# Altium PCB Core.PcbDoc (part 3 of 5)
Units mil, origin at the board's own origin, x right, y up, seen from the top; angles counter-clockwise.
Board outline 1181.1 x 1574.8 mil, 6 copper layers (Top Layer, GND2, SIG3, PWR4, GND5, Bottom Layer), stack 29.356 mil thick; 139 components, 179 nets, 1165 pads, 477 vias.
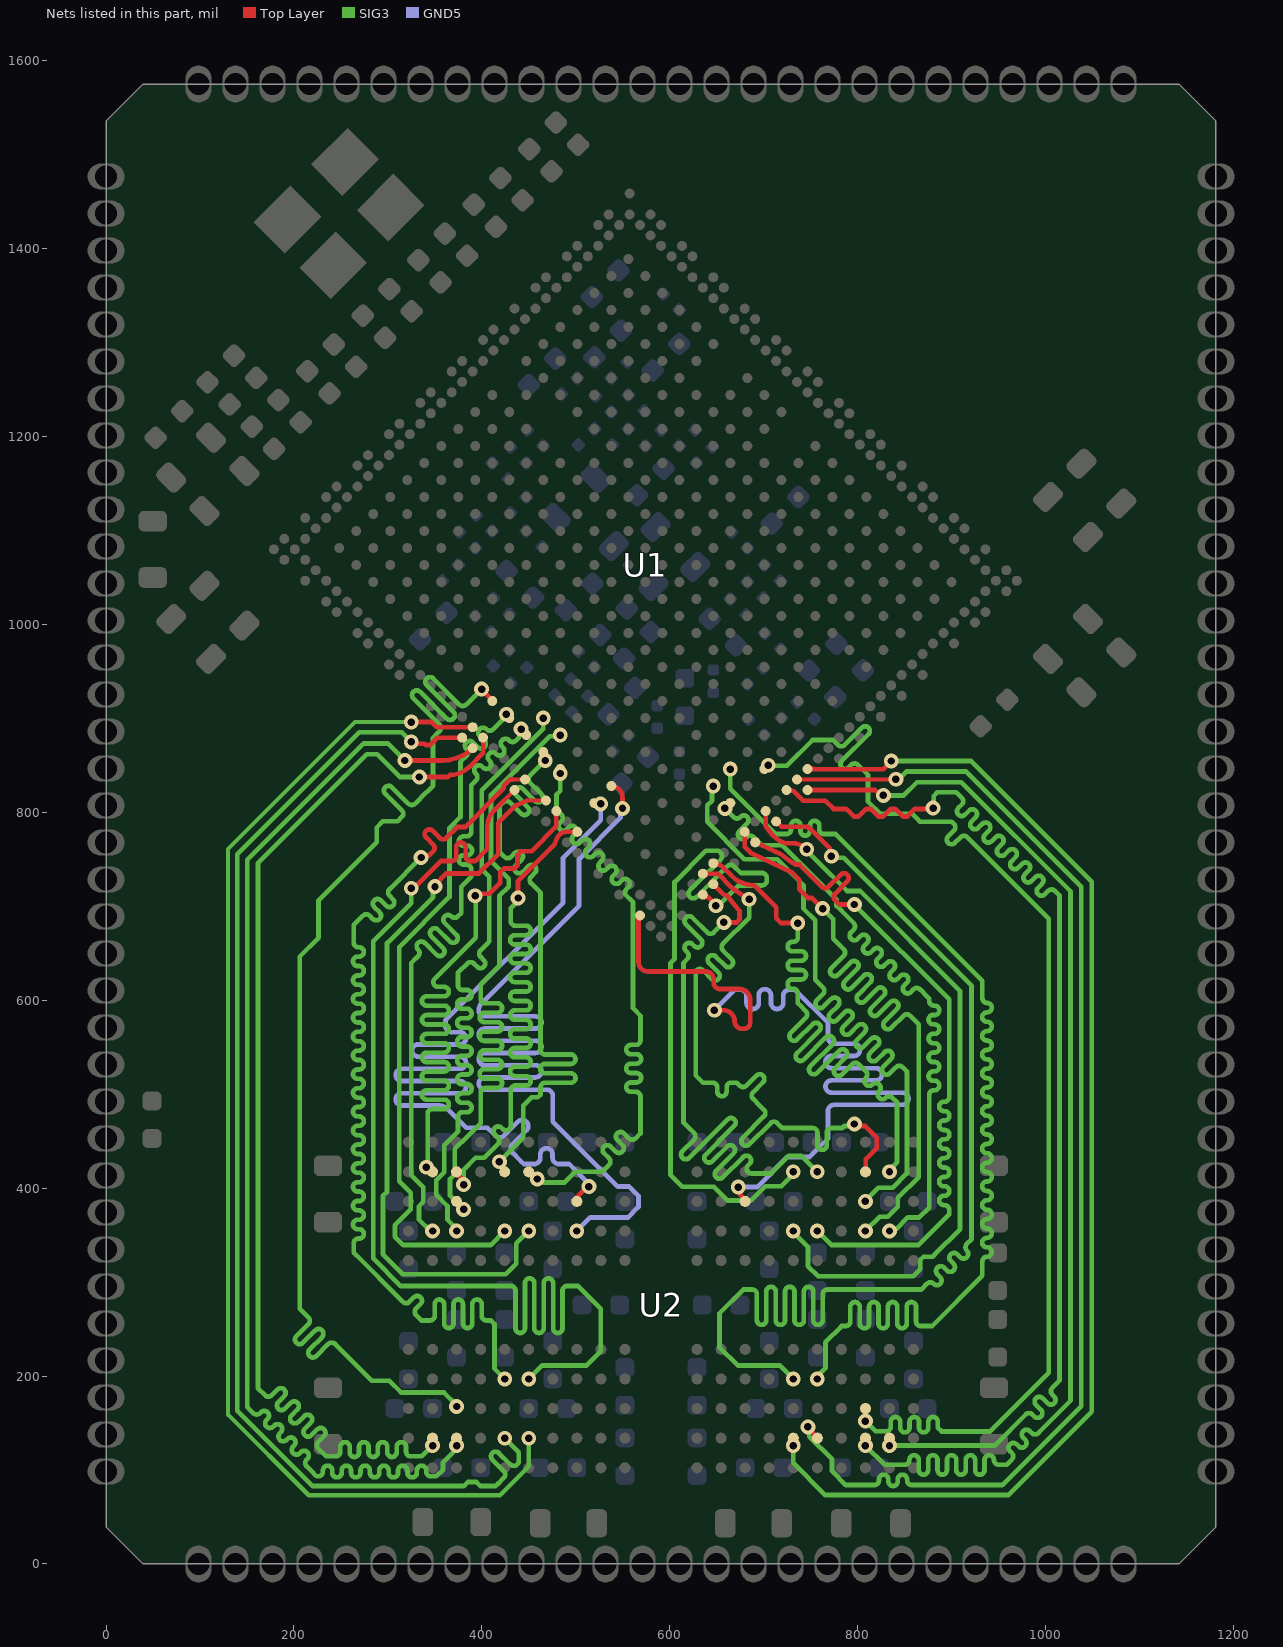
[diagram p7: the nets of this part, all layers, seen from the top]

## Via types
v1: diameter 15.75, hole 7.87, Top Layer to Bottom Layer, tented both sides, 475 vias
v2: diameter 15.75, hole 11.81, Top Layer to Bottom Layer, tented both sides, 2 vias

## Nets (pads, with @x,y where several pads share a name; then routed paths per layer and width w, separated by ;. In a path a pad name is that pad's centre, name@x,y a point inside that pad or via, vN(x,y) a via of type N, cw(c..) or ccw(c..) an arc to the next point about the centre after c; other vN are vias at no path point) (continued)
LPDDR4_CS0N_B: U1.1B5 U2.R4 | length 1079.8
  Top Layer w5: U1.1B5@537.66,827.75 cw(c537.66,815.84) 549.57,815.84 v1(549.57,804)
  GND5 w5: v1(500.98,354.33) 515.39,368.74 555.45,368.74 566.57,379.86 566.57,391.79 556.79,401.57 544.38,401.57 475.39,470.56 475.39,498.24 ccw(c468.89,498.24) 468.89,504.74 403.02,504.74 cw(c403.02,511.24) 403.02,517.74 456.85,517.74 ccw(c456.85,524.24) 456.85,530.74 403.02,530.74 cw(c403.02,537.24) 403.02,543.74 456.85,543.74 ccw(c456.85,550.24) 456.85,556.74 403.02,556.74 cw(c403.02,563.24) 403.02,569.74 456.85,569.74 ccw(c456.85,576.24) 456.85,582.74 402.81,582.74 cw(c402.81,589.05) 396.5,589.05 cw(c407.24,589.05) 399.65,596.64 503.3,700.29 503.3,750.13 547.52,794.35 547.52,801.94 v1(549.57,804)
LPDDR4_CS1N_A: U1.A3 U2.H3 | length 1066.8
  Top Layer w5: U1.A3@568.28,689.95 ccw(c568.28,688.25) 566.58,688.25 566.58,640.51 ccw(c576.63,640.51) 576.63,630.46 638.03,630.46 cw(c638.03,621.94) 646.55,621.94 646.55,618.4 ccw(c653.17,618.4) 653.17,611.78 673.99,611.78 cw(c673.99,600.34) 685.43,600.34 685.43,575.74 cw(c679.33,575.74) 679.33,569.64 cw(c677.25,577.81) 668.82,577.76 ccw(c657.88,577.81) 665.61,585.54 ccw(c656.74,576.67) 656.74,589.21 v1(647.37,589.21) ; v1(672.85,401.06) 674.9,399.01 674.9,392.89 680.12,387.67 U2.H3@680.12,385.83
  GND5 w5: v1(647.37,589.21) 669.18,611.02 675.07,611.02 cw(c675.07,604.52) 681.57,604.52 681.57,597 ccw(c688.07,597) 694.57,597 694.57,605.15 cw(c701.07,605.15) 707.57,605.15 707.57,597 ccw(c714.07,597) 720.57,597 720.57,604.52 cw(c727.07,604.52) 727.07,611.02 732.95,611.02 768.25,575.71 768.25,562.57 768.25,560.07 ccw(c774.75,560.07) 774.75,553.57 795.86,553.57 cw(c795.86,547.07) 795.86,540.57 772,540.57 ccw(c772,534.07) 772,527.57 819.26,527.57 cw(c819.26,521.07) 819.26,514.57 772,514.57 ccw(c772,508.07) 772,501.57 847.41,501.57 cw(c847.41,495.07) 847.41,488.57 774.75,488.57 ccw(c774.75,482.07) 768.25,482.07 768.25,458.21 768.25,452.75 748.65,433.15 724.92,433.15 692.84,401.06 v1(672.85,401.06)
LPDDR4_CS1N_B: U1.1A5 U2.R3 | length 1058
  Top Layer w5: U2.R3@500.98,385.83 502.29,387.13 502.29,391.85 512.01,401.57 v1(513.78,401.57)
  GND5 w5: v1(513.78,401.57) 513.78,404.48 492.66,425.6 491.17,425.6 481.67,425.6 cw(c481.67,432.1) 475.17,432.1 475.17,435.93 ccw(c468.67,435.93) 462.17,435.93 462.17,432.1 cw(c455.67,432.1) 455.67,425.6 453.17,425.6 444.35,425.6 441.86,428.08 440.1,429.85 432.58,437.36 cw(c437.18,441.96) 432.58,446.55 447.41,461.38 ccw(c442.81,465.97) 447.41,470.57 ccw(c442.81,465.98) 438.22,470.57 423.39,455.75 cw(c418.79,460.34) 414.2,455.75 412.43,457.51 405.88,464.06 383.26,464.06 365.22,482.1 362.72,484.6 ccw(c354.88,476.76) 354.88,487.85 314.68,487.85 cw(c314.68,494.35) 314.68,500.85 376.47,500.85 ccw(c376.47,507.35) 376.47,513.85 314.68,513.85 cw(c314.68,520.35) 314.68,526.85 376.47,526.85 ccw(c376.47,533.35) 376.47,539.85 332.03,539.85 cw(c332.03,546.35) 332.03,552.85 376.47,552.85 ccw(c376.47,559.35) 376.47,565.85 367.68,565.85 cw(c367.68,572.35) 361.18,572.35 361.18,578.62 365.44,582.88 486.3,703.74 486.3,751.53 526.28,791.5 v1(526.28,808.78)
LPDDR4_DM0_A: U1.1E2 U2.C3 | length 786.3
  SIG3 w5: v1(646.23,827.75) 644.84,826.37 644.84,812.38 639.6,807.13 639.6,789.64 679.25,750 714.23,750 742.16,722.06 742.16,697.38 754.52,685.02 754.52,626.65 754.52,621.73 762.81,613.44 cw(c759.27,609.9) 762.81,606.37 756.35,599.91 ccw(c759.89,596.38) 756.35,592.84 ccw(c759.89,596.38) 763.42,592.84 771.84,601.26 cw(c775.38,597.73) 778.91,601.26 cw(c775.38,597.73) 778.91,594.19 770.49,585.77 ccw(c774.03,582.24) 770.49,578.7 ccw(c774.03,582.24) 777.56,578.7 785.99,587.12 cw(c789.52,583.59) 793.06,587.12 cw(c789.52,583.59) 793.06,580.05 784.64,571.63 ccw(c788.17,568.09) 784.64,564.56 ccw(c788.17,568.09) 791.71,564.56 800.13,572.98 cw(c803.66,569.44) 807.2,572.98 cw(c803.66,569.44) 807.2,565.91 798.78,557.49 ccw(c802.31,553.95) 798.78,550.42 ccw(c802.31,553.95) 805.85,550.42 814.27,558.84 cw(c817.81,555.3) 821.34,558.84 cw(c817.81,555.3) 821.34,551.77 812.92,543.35 ccw(c816.46,539.81) 812.92,536.28 ccw(c816.46,539.81) 819.99,536.28 828.41,544.7 cw(c831.95,541.16) 835.48,544.7 cw(c831.95,541.16) 835.48,537.62 827.06,529.2 ccw(c830.6,525.67) 827.06,522.13 ccw(c830.6,525.67) 834.13,522.13 840.59,528.59 cw(c844.12,525.05) 847.66,528.59 849.43,526.82 852.3,523.95 852.3,415.58 836.94,400.23 821.88,400.23 808.07,386.42 v1(808.07,385.83)
LPDDR4_DM0_B: U1.1B8 U2.Y3 | length 786.3
  Top Layer w5: U2.Y3@373.03,385.83 373.03,385.25 380.44,377.84 v1(380.44,377.27)
  SIG3 w5: v1(380.44,377.27) 366.04,391.67 366.04,409.63 371.06,414.65 371.06,441.63 384.22,454.79 398.62,469.19 398.62,501.56 cw(c403.62,501.56) 403.62,506.56 416.44,506.56 ccw(c416.44,511.56) 416.44,516.56 402.55,516.56 cw(c402.55,521.56) 402.55,526.56 416.44,526.56 ccw(c416.44,531.56) 416.44,536.56 402.55,536.56 cw(c402.55,541.56) 402.55,546.56 416.44,546.56 ccw(c416.44,551.56) 416.44,556.56 402.55,556.56 cw(c402.55,561.56) 402.55,566.56 416.44,566.56 ccw(c416.44,571.56) 416.44,576.56 402.55,576.56 cw(c402.55,581.56) 402.55,586.56 416.44,586.56 ccw(c416.44,591.56) 416.44,596.56 403.62,596.56 cw(c403.62,601.56) 398.62,601.56 398.62,616.66 418.65,636.68 418.65,710.9 428.58,720.83 428.58,729.27 409.56,748.28 409.56,818.17 472.27,880.88 482.22,880.88 v1(483.37,882.04)
LPDDR4_DM1_A: U1.1G1 U2.C10 | length 1313.3
  Top Layer w5: v1(808.07,151.97) U2.C10@808.07,165.35
  SIG3 w5: v1(704.62,849.96) 705.05,849.54 724.58,849.54 751.84,876.8 773.62,876.8 777.07,873.35 778.84,871.58 ccw(c782.38,875.11) 785.91,871.58 804.28,889.95 cw(c807.82,886.41) 811.35,889.95 cw(c807.82,886.41) 811.35,882.88 783.09,854.62 ccw(c786.63,851.08) 783.09,847.55 ccw(c786.63,851.08) 790.16,847.55 792.98,850.37 cw(c796.52,846.83) 800.05,850.37 810.8,839.62 810.8,811.07 823.6,798.27 857.67,798.27 864.13,791.81 866.04,789.9 899.85,789.9 902.25,787.5 cw(c898.71,783.97) 902.25,780.43 896.17,774.36 ccw(c899.71,770.82) 896.17,767.29 ccw(c899.71,770.82) 903.25,767.29 909.32,773.36 cw(c912.85,769.82) 916.39,773.36 1003.31,686.44 1003.31,203.68 940.66,141.03 930.04,141.03 889.11,141.03 885.05,145.09 885.05,151.42 ccw(c880.05,151.42) 875.05,151.42 875.05,145.09 cw(c870.05,145.09) 865.05,145.09 865.05,151.42 ccw(c860.05,151.42) 855.05,151.42 855.05,145.09 cw(c850.05,145.09) 845.05,145.09 845.05,151.42 ccw(c840.05,151.42) 835.05,151.42 835.05,146.06 cw(c830.05,146.06) 830.04,141.06 821.19,141.06 819.15,141.06 808.24,151.97 v1(808.07,151.97)
LPDDR4_DM1_B: U1.1A11 U2.Y10 | length 1316.8
  Top Layer w5: v1(399.63,930.92) 399.63,930.26 410.99,918.9 U1.1A11@410.99,918.23
  SIG3 w5: v1(373.03,167.56) 373.03,168.94 359.53,182.44 313.92,182.44 301.56,194.8 282.95,194.8 245.44,232.31 243.67,234.08 ccw(c240.13,230.55) 236.6,234.08 223.66,221.15 cw(c220.13,224.69) 216.59,221.15 cw(c220.13,224.69) 216.59,228.22 229.83,241.45 ccw(c226.29,244.99) 229.83,248.53 ccw(c226.29,244.99) 222.76,248.53 209.52,235.29 cw(c205.99,238.83) 202.45,235.29 cw(c205.99,238.83) 202.45,242.36 215.38,255.3 ccw(c211.85,258.83) 215.38,262.37 206.14,271.61 206.14,646.39 226.17,666.43 226.17,706.36 287.95,768.13 287.95,783.69 294.67,790.41 310.23,790.41 314.72,794.91 ccw(c311.19,798.44) 315.7,800.59 ccw(c311.19,798.44) 314.72,801.98 301.7,815 301.62,815 297.11,819.5 cw(c300.65,823.04) 304.18,826.58 321.71,809.05 321.8,809.05 ccw(c325.33,812.58) 328.87,809.05 340.35,820.53 342.12,822.3 348.02,828.2 348.02,879.31 353.11,884.39 354.87,886.16 ccw(c351.34,889.7) 354.87,893.23 327.08,921.02 cw(c330.62,924.56) 327.08,928.1 cw(c330.62,924.56) 334.15,928.1 362.64,899.61 ccw(c366.18,903.14) 369.71,899.61 ccw(c366.18,903.14) 369.71,906.68 341.22,935.17 cw(c344.76,938.7) 341.22,942.24 cw(c344.76,938.7) 348.3,942.24 376.09,914.45 ccw(c379.62,917.98) 383.16,914.45 392.76,924.05 v1(399.63,930.92)
LPDDR4_DQ0_A: U1.G2 U2.B2 | length 787.1
  Top Layer w5: U1.G2@646.23,745.63 cw(c646.23,731.13) 656.47,741.39 665.65,732.21 ccw(c689.65,756.22) 687.8,722.32 cw(c687.8,717.96) 690.88,721.04 713.04,698.88 713.04,687.19 718.24,681.99 v1(736.16,681.99)
  SIG3 w5: v1(736.16,681.99) 736.16,666.97 cw(c731.16,666.97) 731.16,661.97 730.24,661.97 ccw(c730.24,656.97) 730.24,651.97 739.83,651.97 cw(c739.83,646.97) 739.83,641.97 730.24,641.97 ccw(c730.24,636.97) 730.24,631.97 739.83,631.97 cw(c739.83,626.97) 739.83,621.97 730.24,621.97 ccw(c730.24,616.97) 730.24,611.97 731.16,611.97 cw(c731.16,606.97) 736.16,606.97 736.16,596.71 738.59,594.28 744.57,588.3 cw(c741.03,584.76) 744.57,581.23 728.61,565.27 ccw(c732.15,561.74) 728.61,558.2 ccw(c732.15,561.74) 735.68,558.2 751.96,574.48 cw(c755.49,570.94) 759.03,574.48 cw(c755.49,570.94) 759.03,567.4 735.35,543.72 ccw(c738.88,540.19) 735.35,536.65 ccw(c738.88,540.19) 742.42,536.65 766.1,560.33 cw(c769.63,556.8) 773.17,560.33 cw(c769.63,556.8) 773.17,553.26 749.49,529.58 ccw(c753.02,526.05) 749.49,522.51 ccw(c753.02,526.05) 756.56,522.51 780.24,546.19 cw(c783.78,542.66) 787.31,546.19 cw(c783.78,542.66) 787.31,539.12 775.96,527.77 ccw(c779.49,524.23) 775.96,520.7 ccw(c779.49,524.23) 783.03,520.7 794.06,531.73 cw(c797.6,528.2) 799.34,532.88 cw(c797.6,528.2) 801.14,531.73 801.43,531.43 808.5,524.36 cw(c804.97,520.83) 808.5,517.29 ccw(c812.02,513.73) 808.48,510.2 ccw(c812.02,513.73) 815.55,510.2 815.65,510.29 cw(c819.18,506.76) 822.72,510.29 cw(c819.18,506.76) 822.72,503.22 822.62,503.13 ccw(c826.16,499.59) 822.62,496.05 ccw(c826.16,499.59) 829.69,496.05 cw(c833.25,492.54) 836.79,496.08 841.76,491.1 841.76,474.65 841.76,427.67 833.66,419.56 v1(833.66,417.32)
LPDDR4_DQ0_B: U1.B12 U2.AA2 | length 785.9
  Top Layer w4.6: 479.2,784.78 U1.B12@479.2,801.3
  Top Layer w5: v1(340.93,422.07) 345.67,417.32 U2.AA2@347.44,417.32 ; v1(392.76,711.07) 394.82,713.12 407.53,713.12 419.53,725.12 419.53,736.44 423.07,739.97 434.38,739.97 437.92,743.51 437.92,754.82 441.46,758.36 452.77,758.36 479.2,784.78
  SIG3 w5: v1(340.93,422.07) 342.25,423.39 342.25,466.59 342.25,479.09 cw(c347.25,479.09) 347.25,484.09 359.77,484.09 ccw(c359.77,489.09) 359.77,494.09 341.16,494.09 cw(c341.16,499.09) 341.16,504.09 359.77,504.09 ccw(c359.77,509.09) 359.77,514.09 341.16,514.09 cw(c341.16,519.09) 341.16,524.09 359.77,524.09 ccw(c359.77,529.09) 359.77,534.09 341.16,534.09 cw(c341.16,539.09) 341.16,544.09 359.77,544.09 ccw(c359.77,549.09) 359.77,554.09 341.16,554.09 cw(c341.16,559.09) 341.16,564.09 359.77,564.09 ccw(c359.77,569.09) 359.77,574.09 341.16,574.09 cw(c341.16,579.09) 341.16,584.09 359.77,584.09 ccw(c359.77,589.09) 359.77,594.09 341.16,594.09 cw(c341.16,599.09) 341.16,604.09 359.77,604.09 ccw(c359.77,609.09) 359.77,614.09 353.26,614.09 cw(c353.26,619.09) 349.72,622.63 361.14,634.04 393.52,666.43 393.52,710.3 v1(392.76,711.07)
LPDDR4_DQ1_A: U1.F2 U2.C2 | length 786.8
  Top Layer w4.6: U1.F2@635.09,734.49 650.86,734.49 650.99,734.36 650.99,734.49
  Top Layer w5: 650.99,734.36 652.31,733.27 664.29,721.29 667.22,718.37 669.66,716.93 cw(c659.5,699.68) 670.57,716.36 v1(684.29,707.26) ; v1(796.38,468.19) 798.43,466.14 807.59,466.14 819.98,453.75 819.98,442.41 808.29,430.73 808.29,417.55 U2.C2@808.07,417.32
  SIG3 w5: v1(684.29,707.26) 684.29,687.69 656.48,659.87 ccw(c660.02,656.34) 656.48,652.8 665.73,643.55 cw(c662.19,640.02) 665.73,636.48 cw(c662.19,640.02) 658.66,636.48 648.76,646.38 ccw(c645.22,642.85) 641.69,646.39 ccw(c645.22,642.85) 641.69,639.31 651.59,629.41 cw(c648.05,625.88) 651.59,622.34 cw(c648.05,625.88) 644.52,622.34 635.27,631.59 ccw(c631.73,628.06) 628.2,631.59 627.55,630.94 627.55,519.87 627.65,519.77 635.25,512.17 645.35,512.17 cw(c645.35,507.17) 650.35,507.17 650.35,502.68 ccw(c655.35,502.68) 660.35,502.68 660.35,507.17 cw(c665.35,507.17) 665.35,512.17 667.85,512.17 671.24,512.17 674.38,509.02 ccw(c677.92,512.56) 681.45,509.02 692.01,519.58 cw(c695.55,516.05) 699.08,519.58 cw(c695.55,516.05) 699.08,512.51 688.53,501.95 ccw(c692.06,498.42) 688.53,494.88 695.6,487.81 697.36,486.04 700.12,483.28 cw(c696.59,479.75) 700.12,476.21 677.5,453.59 ccw(c681.03,450.05) 677.5,446.52 ccw(c681.03,450.05) 684.57,446.52 707.19,469.14 cw(c710.73,465.61) 714.26,469.14 719.55,463.86 752.01,463.86 cw(c752.01,458.86) 757.01,458.86 757.01,445.68 ccw(c762.01,445.68) 767.01,445.68 767.01,458.86 cw(c772.01,458.86) 772.01,463.86 783.2,463.86 785.48,466.14 794.32,466.14 v1(796.38,468.19)
LPDDR4_DQ1_B: U1.B10 U2.Y2 | length 787.5
  Top Layer w4.6: 488.31,779.03 U1.B10@501.47,779.03
  Top Layer w5: U2.Y2@373.03,417.32 373.03,415.48 378.39,410.12 378.39,405.72 v1(380.44,403.66) ; v1(438.43,708.66) 438.43,727.06 477.24,765.87 479.88,772.23 ; 479.89,772.24 cw(c490.33,767.9) 488.12,778.99 488.31,779.03
  SIG3 w5: v1(380.44,403.66) 380.44,419.52 393.14,432.21 402.39,432.21 416.95,446.77 ccw(c413.41,450.31) 416.95,453.85 413.72,457.07 cw(c417.26,460.61) 413.72,464.15 cw(c417.26,460.61) 420.79,464.15 422.09,462.85 ccw(c425.62,466.38) 430.62,466.38 430.62,471.61 430.62,504.11 cw(c435.62,504.11) 435.62,509.11 446.92,509.11 ccw(c446.92,514.11) 446.92,519.11 435.05,519.11 cw(c435.05,524.11) 435.05,529.11 446.92,529.11 ccw(c446.92,534.11) 446.92,539.11 435.05,539.11 cw(c435.05,544.11) 435.05,549.11 446.92,549.11 ccw(c446.92,554.11) 446.92,559.11 435.05,559.11 cw(c435.05,564.11) 435.05,569.11 446.92,569.11 ccw(c446.92,574.11) 446.92,579.11 435.05,579.11 cw(c435.05,584.11) 435.05,589.11 446.92,589.11 ccw(c446.92,594.11) 446.92,599.11 435.05,599.11 cw(c435.05,604.11) 435.05,609.11 446.92,609.11 ccw(c446.92,614.11) 446.92,619.11 435.05,619.11 cw(c435.05,624.11) 435.05,629.11 446.92,629.11 ccw(c446.92,634.11) 446.92,639.11 435.05,639.11 cw(c435.05,644.11) 435.05,649.11 446.92,649.11 ccw(c446.92,654.11) 446.92,659.11 435.05,659.11 cw(c435.05,664.11) 435.05,669.11 446.92,669.11 ccw(c446.92,674.11) 446.92,679.11 435.62,679.11 cw(c435.62,684.11) 430.62,684.11 430.62,697.94 436.89,704.21 438.43,705.75 v1(438.43,708.66)
LPDDR4_DQ2_A: U1.F1 U2.E2 | length 785.5
  Top Layer w5: U1.F1@646.23,723.35 656.95,712.63 657.6,711.99 659.32,711.57 660.68,711.24 661.86,710.07 672.86,696.56 673.99,695.18 673.99,685.58 671.06,682.65 v1(657.44,682.65)
  SIG3 w5: v1(657.44,682.65) 646.82,672.03 cw(c643.28,675.56) 639.74,672.03 624.06,687.71 ccw(c620.53,684.17) 616.99,687.71 ccw(c620.53,684.17) 616.99,680.64 633.03,664.6 cw(c629.49,661.06) 633.03,657.53 cw(c629.49,661.06) 625.96,657.53 624.06,659.42 ccw(c620.53,655.89) 616.99,659.42 ccw(c620.53,655.89) 616.99,652.35 618.53,650.81 cw(c615,647.28) 618.53,643.74 614.53,639.74 614.53,469.74 618.66,465.61 620.43,463.84 625.68,458.59 cw(c622.14,455.05) 625.68,451.52 613.34,439.18 ccw(c616.88,435.65) 613.34,432.11 ccw(c616.88,435.65) 620.41,432.11 661.45,473.15 cw(c664.98,469.61) 668.52,473.15 cw(c664.98,469.61) 668.52,466.08 638.07,435.63 ccw(c641.61,432.09) 638.07,428.56 ccw(c641.61,432.09) 645.14,428.56 660.75,444.17 cw(c664.29,440.63) 667.83,444.17 cw(c664.29,440.63) 667.83,437.1 649.16,418.43 ccw(c652.7,414.9) 649.16,411.36 ccw(c652.7,414.9) 656.23,411.36 677.89,433.02 cw(c681.42,429.48) 684.96,433.02 cw(c681.42,429.48) 684.96,425.95 683.13,424.12 ccw(c686.67,420.58) 686.67,415.58 695.81,415.58 707.72,415.58 726.32,434.18 733.11,434.18 740.03,434.18 v1(756.89,417.32)
LPDDR4_DQ2_B: U1.1A8 U2.V2 | length 787.5
  Top Layer w5: v1(418.63,428.08) 420.68,426.02 420.68,422.69 424.21,419.17 U2.V2@424.21,417.32 ; U1.1A8@465.28,863.94 466.29,862.93 466.29,856.04 v1(467.3,855.03)
  SIG3 w5: v1(418.63,428.08) 444.06,453.51 444.06,487.77 452.78,496.49 459.29,496.49 459.84,497.04 462.33,499.54 462.33,507.09 cw(c467.33,507.09) 467.33,512.09 494.56,512.09 ccw(c494.56,517.09) 494.56,522.09 466.93,522.09 cw(c466.93,527.09) 466.93,532.09 494.56,532.09 ccw(c494.56,537.09) 494.56,542.09 467.33,542.09 cw(c467.33,547.09) 462.33,547.09 462.33,549.59 462.33,714.14 452.26,724.21 cw(c455.8,727.74) 452.26,731.28 456.33,735.35 ccw(c452.8,738.89) 456.33,742.42 ccw(c452.8,738.89) 449.26,742.42 443.17,736.33 cw(c439.63,739.87) 436.1,736.33 cw(c439.64,739.87) 436.1,743.4 442.19,749.49 ccw(c438.65,753.03) 442.19,756.56 ccw(c438.65,753.03) 435.12,756.56 431.05,752.49 cw(c427.51,756.03) 423.98,752.49 418.65,757.82 418.65,806.37 422.63,810.35 cw(c426.17,806.82) 429.7,810.35 441.71,798.35 ccw(c445.25,801.88) 448.78,798.35 ccw(c445.25,801.88) 448.78,805.42 436.36,817.84 cw(c439.9,821.37) 436.36,824.91 cw(c439.9,821.37) 443.43,824.91 456.41,811.93 ccw(c459.95,815.46) 463.49,811.93 ccw(c459.95,815.46) 463.49,819 450.92,831.57 cw(c454.45,835.1) 450.92,838.64 v1(467.3,855.03)
LPDDR4_DQ3_A: U1.E1 U2.F2 | length 786.7
  Top Layer w5: U1.E1@635.09,712.22 636.62,712.22 639.23,709.61 640.61,709.61 648.91,701.31 v1(648.91,700.5)
  SIG3 w5: v1(648.91,700.5) 651.63,700.5 673.2,722.06 697.76,722.06 ccw(c697.76,727.5) 703.2,727.5 703.2,729.86 ccw(c697.78,729.86) 697.78,735.27 675.42,735.27 675.13,735.55 668.18,742.5 ccw(c664.65,738.97) 661.11,742.5 628.33,709.72 cw(c624.79,713.25) 621.26,709.72 cw(c624.79,713.25) 621.25,716.79 654.04,749.58 ccw(c650.51,753.11) 654.04,756.65 651.73,758.96 638.29,758.96 604.96,725.62 604.96,643.79 600.55,639.39 600.55,414.2 613.35,401.4 646.89,401.4 661.63,386.66 686.17,386.66 701.37,401.86 718.71,401.86 731.3,414.45 v1(731.3,417.32)
LPDDR4_DQ3_B: U1.1A7 U2.U2 | length 785.3
  Top Layer w5: U2.U2@449.8,417.32 450.43,417.32 458.12,409.63 v1(458.75,409.63) ; v1(483.37,841.11) U1.1A7@483.37,845.85
  SIG3 w5: v1(458.75,409.63) 461.66,409.63 465.45,405.84 487.82,405.84 499.31,417.32 527.94,417.32 535.24,424.62 ccw(c531.7,428.16) 535.24,431.69 529.88,437.05 cw(c533.42,440.59) 529.88,444.12 cw(c533.42,440.59) 536.96,444.12 542.34,438.74 ccw(c545.87,442.28) 549.41,438.74 ccw(c545.87,442.28) 549.41,445.81 544.03,451.19 cw(c547.56,454.73) 544.03,458.26 cw(c547.56,454.73) 551.1,458.26 556.45,452.91 ccw(c559.99,456.44) 563.52,452.91 568.71,458.1 568.71,494.88 568.71,497.38 ccw(c563.71,497.38) 563.71,502.38 558.56,502.38 cw(c558.56,507.38) 558.56,512.38 564.42,512.38 ccw(c564.42,517.38) 564.42,522.38 558.56,522.38 cw(c558.56,527.38) 558.56,532.38 564.42,532.38 ccw(c564.42,537.38) 564.42,542.38 558.56,542.38 cw(c558.56,547.38) 558.56,552.38 563.71,552.38 ccw(c563.71,557.38) 568.71,557.38 568.71,572.71 568.71,583.28 560.79,591.2 560.79,704.29 552.24,712.83 552.24,714.55 cw(c557.24,714.55) 553.71,718.08 555.98,720.36 ccw(c552.45,723.89) 555.98,727.43 ccw(c552.45,723.89) 548.91,727.43 546.64,725.15 cw(c543.1,728.69) 539.57,725.15 cw(c543.1,728.69) 539.57,732.23 541.84,734.5 ccw(c538.3,738.04) 541.84,741.57 ccw(c538.3,738.04) 534.77,741.57 532.49,739.3 cw(c528.96,742.83) 525.42,739.3 cw(c528.96,742.83) 525.42,746.37 527.7,748.64 ccw(c524.16,752.18) 527.7,755.71 ccw(c524.16,752.18) 520.63,755.71 518.35,753.44 cw(c514.82,756.97) 511.28,753.44 cw(c514.82,756.97) 511.28,760.51 513.56,762.78 ccw(c510.02,766.32) 513.56,769.86 ccw(c510.02,766.32) 506.48,769.86 504.21,767.58 cw(c500.67,771.12) 497.14,767.58 cw(c500.67,771.12) 497.14,774.65 499.41,776.93 ccw(c495.88,780.46) 499.41,784 ccw(c495.88,780.46) 492.34,784 490.07,781.72 cw(c486.53,785.26) 483,781.72 cw(c486.53,785.26) 483,788.79 484.61,790.41 ccw(c481.07,793.94) 484.61,797.48 479.3,802.79 479.3,818.46 483.37,822.53 v1(483.37,841.11)
LPDDR4_DQ4_A: U1.M2 U2.F4 | length 785.8
  Top Layer w4.6: 701.91,787.72 U1.M2@701.91,801.3
  Top Layer w5: 701.9,787.71 701.9,785.27 706.54,778.86 ccw(c733.39,798.31) 722.57,766.97 730.21,766.97 cw(c730.21,745.05) v1(745.71,760.54)
  SIG3 w5: v1(731.3,354.33) 731.32,352.99 746.91,337.4 746.91,316.93 757.7,306.14 843.47,306.14 858.85,306.14 866.33,313.62 866.33,323.52 869.87,327.06 879.77,327.06 881.53,328.82 908.79,356.08 908.79,609.64 802.33,716.11 788.56,716.11 757.46,747.21 745.73,758.96 v1(745.71,760.54)
LPDDR4_DQ4_B: U1.B13 U2.U4 | length 785.2
  Top Layer w4.6: 448.15,812.42 U1.B13@468.06,812.44
  Top Layer w5: v1(350.07,720.83) 350.07,723 361.89,734.82 396.76,734.82 417.27,755.33 417.27,788.66 435.04,806.43 436.61,807.49 448.15,812.42
  SIG3 w5: 347.99,712.53 347.99,709.63 299.07,660.71 299.07,396.19 294.67,391.79 294.67,329.64 315.88,308.43 425.26,308.43 436.5,319.67 436.5,341.03 v1(449.8,354.33) ; 348.02,712.56 348.02,718.78 v1(350.07,720.83)
LPDDR4_DQ5_A: U1.K1 U2.E4 | length 786.9
  Top Layer w5: U1.K1@690.77,767.9 691.22,767.7 cw(c476.63,269.28) 718.18,755.21 728.28,747.62 733.6,744.24 737.93,744.24 759.92,722.26 761.68,720.49 ccw(c765.22,724.03) 768.75,720.49 781.77,733.5 cw(c785.31,729.97) 788.84,733.51 cw(c785.31,729.97) 788.84,726.43 775.83,713.42 ccw(c779.36,709.88) 775.83,706.35 780.47,701.7 v1(796.36,701.7)
  SIG3 w5: v1(756.89,354.33) 771.73,339.49 864.79,339.49 894.65,369.36 897.2,371.91 897.2,376.86 ccw(c892.2,376.86) 892.2,381.86 891.56,381.86 cw(c891.56,386.86) 891.56,391.86 892.35,391.86 ccw(c892.35,396.86) 892.35,401.86 891.56,401.86 cw(c891.56,406.86) 891.56,411.86 892.35,411.86 ccw(c892.35,416.86) 892.35,421.86 891.56,421.86 cw(c891.56,426.86) 891.56,431.86 892.35,431.86 ccw(c892.35,436.86) 892.35,441.86 891.56,441.86 cw(c891.56,446.86) 891.56,451.86 892.35,451.86 ccw(c892.35,456.86) 892.35,461.86 891.56,461.86 cw(c891.56,466.86) 891.56,471.86 892.35,471.86 ccw(c892.35,476.86) 892.35,481.86 891.56,481.86 cw(c891.56,486.86) 891.56,491.86 892.2,491.86 ccw(c892.2,496.86) 897.2,496.86 897.2,520.85 897.2,600.86 v1(796.36,701.7)
LPDDR4_DQ5_B: U1.1A10 U2.V4 | length 785.1
  Top Layer w5: v1(425.98,904.14) 425.98,903.24 U1.1A10@429.09,900.13
  SIG3 w5: v1(424.21,354.33) 409.25,339.37 316.44,339.37 307.44,348.36 307.44,360.54 324.17,377.27 324.17,395.04 312.11,407.1 312.11,656.49 365.41,709.79 365.41,783.12 377.13,794.84 377.13,853.36 383.63,859.85 ccw(c380.09,863.39) 383.63,866.93 383.33,867.22 cw(c386.86,870.76) 383.33,874.3 cw(c386.86,870.76) 390.4,874.3 395.55,869.14 ccw(c399.09,872.68) 402.62,869.14 ccw(c399.09,872.68) 402.62,876.21 397.47,881.37 cw(c401,884.9) 397.47,888.44 cw(c401,884.9) 404.54,888.44 404.84,888.14 ccw(c408.37,891.67) 411.91,888.14 425.98,902.21 v1(425.98,904.14)
LPDDR4_DQ6_A: U1.K2 U2.C4 | length 786.6
  Top Layer w4.6: 679.64,765.8 U1.K2@679.64,779.03
  Top Layer w5: 679.64,765.8 679.64,763.03 685.34,757.32 686.1,756.58 687.9,755.87 729.47,736.03 730.08,735.74 737.58,728.24 737.58,718.03 746.86,708.75 751.16,708.75 v1(762.49,697.42)
  SIG3 w5: v1(762.49,697.42) 773.71,686.21 773.71,665.44 776.14,663.01 777.91,661.24 784.98,654.17 cw(c781.44,650.63) 784.98,647.1 771.9,634.02 ccw(c775.44,630.49) 771.9,626.95 ccw(c775.44,630.49) 778.97,626.95 792.27,640.24 cw(c795.8,636.71) 799.34,640.24 cw(c795.8,636.71) 799.34,633.17 786.05,619.88 ccw(c789.58,616.34) 786.05,612.81 ccw(c789.58,616.34) 793.12,612.81 806.41,626.1 cw(c809.94,622.57) 813.48,626.1 cw(c809.94,622.57) 813.48,619.03 800.19,605.74 ccw(c803.72,602.2) 800.19,598.67 ccw(c803.72,602.2) 807.26,598.67 820.55,611.96 cw(c824.09,608.42) 827.62,611.96 cw(c824.09,608.42) 827.62,604.89 814.33,591.6 ccw(c817.87,588.06) 814.33,584.52 ccw(c817.87,588.06) 821.4,584.52 834.69,597.82 cw(c838.23,594.28) 841.76,597.82 cw(c838.23,594.28) 841.76,590.75 828.47,577.45 ccw(c832.01,573.92) 828.47,570.38 ccw(c832.01,573.92) 835.54,570.38 848.62,583.46 cw(c852.15,579.92) 855.69,583.46 864.79,574.36 864.79,558 864.79,411.73 842.55,389.5 842.55,380.15 831.81,369.42 823.16,369.42 v1(808.07,354.33)
LPDDR4_DQ6_B: U1.1B9 U2.Y4 | length 784.6
  SIG3 w5: v1(373.03,354.33) 373.03,356.7 363.34,366.39 363.34,380.83 351.26,392.91 351.26,408.39 359.77,416.9 359.77,445.36 374.48,460.06 374.48,475.73 cw(c379.48,475.73) 379.48,480.73 384.05,480.73 ccw(c384.05,485.73) 384.05,490.73 378.59,490.73 cw(c378.59,495.73) 378.59,500.73 384.05,500.73 ccw(c384.05,505.73) 384.05,510.73 378.59,510.73 cw(c378.59,515.73) 378.59,520.73 384.05,520.73 ccw(c384.05,525.73) 384.05,530.73 378.59,530.73 cw(c378.59,535.73) 378.59,540.73 384.05,540.73 ccw(c384.05,545.73) 384.05,550.73 378.59,550.73 cw(c378.59,555.73) 378.59,560.73 384.05,560.73 ccw(c384.05,565.73) 384.05,570.73 378.59,570.73 cw(c378.59,575.73) 378.59,580.73 384.05,580.73 ccw(c384.05,585.73) 384.05,590.73 378.59,590.73 cw(c378.59,595.73) 378.59,600.73 384.05,600.73 ccw(c384.05,605.73) 384.05,610.73 379.48,610.73 cw(c379.48,615.73) 374.48,615.73 374.48,628.97 375.56,630.06 384.4,638.9 cw(c387.94,635.36) 391.47,638.9 394.92,635.44 ccw(c398.46,638.98) 401.99,635.44 ccw(c398.46,638.98) 401.99,642.52 398.54,645.97 cw(c402.08,649.5) 398.54,653.04 405.54,660.04 407.92,662.41 407.92,731.05 399.63,739.34 399.63,823.11 465.1,888.57 465.1,899.95 v1(465.28,900.13)
LPDDR4_DQ7_A: U1.1E1 U2.B4 | length 786.9
  Top Layer w5: v1(658.51,804) v1(658.51,804) 664.25,809.66 U1.1E1@664.33,809.66
  SIG3 w5: v1(658.51,804) 667.78,794.73 ccw(c671.31,798.27) 674.85,794.73 675.21,795.09 cw(c678.75,791.55) 682.28,795.09 cw(c678.75,791.55) 682.28,788.02 673.98,779.72 ccw(c677.52,776.18) 673.98,772.65 ccw(c677.52,776.18) 681.05,772.65 681.92,773.52 cw(c685.46,769.98) 688.99,773.52 697.78,764.73 719.42,764.73 777.37,706.78 777.37,700.22 788.47,689.12 795.54,682.05 cw(c792,678.51) 795.54,674.98 792.78,672.22 ccw(c796.31,668.68) 792.78,665.15 ccw(c796.31,668.68) 799.85,665.15 802.8,668.1 cw(c806.33,664.56) 809.87,668.1 cw(c806.33,664.56) 809.87,661.03 806.92,658.08 ccw(c810.46,654.54) 806.92,651.01 ccw(c810.46,654.54) 813.99,651.01 816.94,653.95 cw(c820.48,650.42) 824.01,653.95 cw(c820.48,650.42) 824.01,646.88 821.06,643.93 ccw(c824.6,640.4) 821.06,636.86 ccw(c824.6,640.4) 828.13,636.86 831.08,639.81 cw(c834.62,636.28) 838.15,639.81 cw(c834.62,636.28) 838.15,632.74 835.21,629.79 ccw(c838.74,626.26) 835.21,622.72 ccw(c838.74,626.26) 842.28,622.72 845.22,625.67 cw(c848.76,622.13) 852.3,625.67 cw(c848.76,622.13) 852.3,618.6 849.35,615.65 ccw(c852.88,612.12) 849.35,608.58 ccw(c852.88,612.12) 856.42,608.58 859.18,611.34 cw(c862.71,607.8) 866.25,611.34 874.07,603.52 875.94,601.65 875.94,599.15 ccw(c880.94,599.15) 880.94,594.15 881.67,594.15 cw(c881.67,589.15) 881.67,584.15 880.27,584.15 ccw(c880.27,579.15) 880.27,574.15 881.67,574.15 cw(c881.67,569.15) 881.67,564.15 880.27,564.15 ccw(c880.27,559.15) 880.27,554.15 881.67,554.15 cw(c881.67,549.15) 881.67,544.15 880.27,544.15 ccw(c880.27,539.15) 880.27,534.15 881.67,534.15 cw(c881.67,529.15) 881.67,524.15 880.27,524.15 ccw(c880.27,519.15) 880.27,514.15 881.67,514.15 cw(c881.67,509.15) 881.67,504.15 880.94,504.15 ccw(c880.94,499.15) 875.94,499.15 875.94,379.27 865.4,368.74 853.29,368.74 840.94,356.39 835.72,356.39 v1(833.66,354.33)
LPDDR4_DQ7_B: U1.1A9 U2.AA4 | length 787.8
  Top Layer w5: v1(441.68,888.39) 441.68,887.97 447.18,882.46 U1.1A9@447.18,882.04
  SIG3 w5: 332.02,653.78 cw(c335.55,657.32) 332.02,660.85 cw(c335.55,657.32) 339.09,660.85 351.65,648.29 ccw(c355.19,651.82) 358.72,648.29 ccw(c355.19,651.82) 358.72,655.36 346.16,667.92 cw(c349.69,671.46) 346.16,674.99 cw(c349.69,671.46) 353.23,674.99 365.79,662.43 ccw(c369.33,665.96) 372.87,662.43 ccw(c369.33,665.96) 372.87,669.5 360.3,682.07 cw(c363.84,685.6) 360.3,689.14 cw(c363.84,685.6) 367.37,689.14 ccw(c370.94,692.64) 374.48,689.1 377.84,692.47 377.84,697.19 377.84,720.57 388.55,731.27 388.55,739.21 ccw(c383.55,739.21) 383.55,744.21 380.47,744.21 cw(c380.47,749.21) 380.47,754.21 384.52,754.21 ccw(c384.52,759.21) 384.52,764.21 380.47,764.21 cw(c380.47,769.21) 380.47,774.21 383.55,774.21 ccw(c383.55,779.21) 388.55,779.21 388.55,828.57 393.71,833.74 ccw(c390.18,837.28) 393.71,840.81 393.22,841.3 cw(c396.76,844.84) 393.22,848.38 cw(c396.76,844.84) 400.29,848.38 401.19,847.48 ccw(c404.73,851.01) 408.26,847.48 ccw(c404.73,851.01) 408.26,854.55 407.69,855.12 cw(c411.23,858.66) 407.69,862.19 cw(c411.23,858.65) 414.76,862.19 415.33,861.62 ccw(c418.87,865.15) 422.4,861.62 ccw(c418.87,865.15) 422.4,868.69 421.5,869.59 cw(c425.04,873.12) 421.5,876.66 cw(c425.04,873.12) 428.58,876.66 429.07,876.17 ccw(c432.61,879.7) 436.14,876.17 439.62,879.65 439.62,886.33 v1(441.68,888.39) ; 332.05,653.75 cw(c328.51,650.21) 332.05,646.68 330.28,644.91 324.87,639.5 324.87,413.78 337.57,401.09 337.57,385.2 333.03,380.67 333.03,366.49 345.19,354.33 v1(347.44,354.33)
LPDDR4_DQ8_A: U1.P2 U2.B11 | length 1318.9
  Top Layer w5: U1.P2@724.18,823.57 725.1,822.65 731.37,822.65 735.13,818.89 741.76,812.26 765.28,812.26 774.14,803.4 787.81,803.4 795.81,795.4 800.81,795.4 808.81,803.4 813.81,803.4 821.81,795.4 826.81,795.4 834.81,803.4 839.81,803.4 847.81,795.4 852.81,795.4 860.81,803.4 879.12,803.4 v1(880.07,804.36) ; v1(833.66,125.98) U2.B11@833.66,133.86
  SIG3 w5: v1@833.12,125.98 945.57,125.98 978.61,159.02 cw(c982.15,155.49) 985.69,159.02 987.79,156.92 ccw(c991.33,160.45) 994.86,156.92 ccw(c991.33,160.45) 994.86,163.99 989.55,169.3 cw(c993.09,172.84) 989.55,176.37 cw(c993.08,172.84) 996.62,176.37 1001.93,171.06 ccw(c1005.47,174.6) 1009.01,171.06 ccw(c1005.47,174.6) 1009.01,178.13 1006.9,180.24 cw(c1010.43,183.77) 1006.9,187.31 1014.53,194.94 1014.53,711.35 1009.66,716.23 ccw(c1006.12,712.69) 1002.58,716.23 998.89,712.53 cw(c995.35,716.07) 991.82,712.53 cw(c995.35,716.07) 991.82,719.6 996.06,723.85 ccw(c992.53,727.38) 996.06,730.92 ccw(c992.53,727.38) 988.99,730.92 984.75,726.67 cw(c981.21,730.21) 977.67,726.67 cw(c981.21,730.21) 977.67,733.74 981.92,737.99 ccw(c978.38,741.52) 981.92,745.06 ccw(c978.38,741.52) 974.85,745.06 970.6,740.81 cw(c967.07,744.35) 963.53,740.81 cw(c967.07,744.35) 963.53,747.89 967.78,752.13 ccw(c964.24,755.67) 967.78,759.2 ccw(c964.24,755.67) 960.71,759.2 956.46,754.96 cw(c952.93,758.49) 949.39,754.96 cw(c952.93,758.49) 949.39,762.03 953.64,766.27 ccw(c950.1,769.81) 953.64,773.34 ccw(c950.1,769.81) 946.56,773.34 942.32,769.1 cw(c938.78,772.63) 935.25,769.1 cw(c938.78,772.63) 935.25,776.17 939.49,780.41 ccw(c935.96,783.95) 939.49,787.48 ccw(c935.96,783.95) 932.42,787.48 928.18,783.24 cw(c924.64,786.78) 921.11,783.24 cw(c924.64,786.78) 921.11,790.31 925.35,794.56 ccw(c921.82,798.09) 925.35,801.63 ccw(c921.82,798.09) 918.28,801.63 914.04,797.38 cw(c910.5,800.92) 906.96,797.38 cw(c910.5,800.92) 906.96,804.45 910.66,808.15 ccw(c907.12,811.69) 910.66,815.22 904.8,821.08 884.72,821.08 880.85,817.21 880.85,805.13 v1(880.07,804.36)
LPDDR4_DQ8_B: U1.B19 U2.AA11 | length 1318.7
  Top Layer w4.6: 400.89,862.56 401.25,862.92 U1.B19@401.25,879.25
  Top Layer w5: v1(333.41,837.38) 363.6,837.38 365.7,839.48 ccw(c365.7,868.69) 386.36,848.03 400.89,862.56 ; v1(347.44,125.98) U2.AA11@347.44,133.86
  SIG3 w5: v1(333.41,837.38) 312.83,837.38 288.59,861.62 277.44,861.62 161.6,745.77 161.6,186.98 169.18,179.4 ccw(c172.72,182.93) 176.25,179.4 182.52,185.66 cw(c186.05,182.12) 189.59,185.66 cw(c186.05,182.12) 189.59,178.59 183.25,172.25 ccw(c186.78,168.71) 183.25,165.18 ccw(c186.78,168.71) 190.32,165.18 196.66,171.52 cw(c200.19,167.98) 203.73,171.52 cw(c200.19,167.98) 203.73,164.45 197.39,158.11 ccw(c200.92,154.57) 197.39,151.04 ccw(c200.92,154.57) 204.46,151.04 210.8,157.38 cw(c214.34,153.84) 217.87,157.38 cw(c214.34,153.84) 217.87,150.3 211.53,143.96 ccw(c215.07,140.43) 211.53,136.89 ccw(c215.07,140.43) 218.6,136.89 224.94,143.23 cw(c228.48,139.7) 232.01,143.23 cw(c228.48,139.7) 232.01,136.16 225.75,129.9 ccw(c229.29,126.36) 225.75,122.83 234.07,114.51 244.26,114.51 ccw(c244.26,119.51) 249.26,119.51 249.26,124.68 cw(c254.26,124.68) 259.26,124.68 259.26,118.86 ccw(c264.26,118.86) 269.26,118.86 269.26,124.68 cw(c274.26,124.68) 279.26,124.68 279.26,118.86 ccw(c284.26,118.86) 289.26,118.86 289.26,124.68 cw(c294.26,124.68) 299.26,124.68 299.26,118.86 ccw(c304.26,118.86) 309.26,118.86 309.26,124.68 cw(c314.26,124.68) 319.26,124.68 319.26,119.51 ccw(c324.26,119.51) 324.26,114.51 335.97,114.51 v1(347.44,125.98)
LPDDR4_DQ9_A: U1.R1 U2.C11 | length 1318.6
  Top Layer w5: U1.R1@746.45,823.57 818.54,823.57 824.31,817.81 v1(827.22,817.81) ; v1(808.07,125.98) U2.C11@808.07,133.86
  SIG3 w5: v1(808.07,125.98) 828.43,105.62 849.81,105.62 ccw(c849.81,110.62) 854.81,110.62 854.81,110.71 cw(c859.81,110.71) 864.81,110.71 864.81,99.97 ccw(c869.81,99.97) 874.81,99.97 874.81,110.71 cw(c879.81,110.71) 884.81,110.71 884.81,99.97 ccw(c889.81,99.97) 894.81,99.97 894.81,110.71 cw(c899.81,110.71) 904.81,110.71 904.81,99.97 ccw(c909.81,99.97) 914.81,99.97 914.81,110.71 cw(c919.81,110.71) 924.81,110.71 924.81,99.97 ccw(c929.81,99.97) 934.81,99.97 934.81,110.71 cw(c939.81,110.71) 944.81,110.71 944.81,110.62 ccw(c949.81,110.62) 949.81,105.62 958.4,105.62 963.86,111.08 ccw(c960.32,114.61) 963.86,118.15 961.83,120.17 cw(c965.37,123.71) 961.83,127.25 cw(c965.37,123.71) 968.9,127.25 970.98,125.17 ccw(c974.52,128.7) 978.06,125.17 ccw(c974.52,128.7) 978.06,132.24 975.98,134.32 cw(c979.51,137.85) 975.98,141.39 cw(c979.51,137.85) 983.05,141.39 985.07,139.36 ccw(c988.61,142.9) 992.14,139.36 1026.3,173.52 1026.3,715.6 910.05,831.85 862.97,831.85 848.93,817.81 v1(827.22,817.81)
LPDDR4_DQ9_B: U1.A19 U2.Y11 | length 1312.2
  Top Layer w5: v1(318.02,855.03) 358.51,855.03 ccw(c358.51,899.72) U1.A19@390.11,868.12
  SIG3 w5: v1(318.02,855.03) 299.92,873.12 274.14,873.12 150.34,749.33 150.34,166.91 150.74,166.51 152.51,164.74 156.8,160.46 ccw(c160.33,163.99) 163.87,160.46 164.83,161.42 cw(c168.37,157.89) 171.9,161.42 cw(c168.37,157.89) 171.9,154.35 170.76,153.21 ccw(c174.3,149.67) 170.76,146.13 ccw(c174.3,149.67) 177.83,146.13 178.98,147.28 cw(c182.51,143.74) 186.05,147.28 cw(c182.51,143.74) 186.05,140.21 184.9,139.06 ccw(c188.44,135.53) 184.9,131.99 ccw(c188.44,135.53) 191.97,131.99 193.12,133.14 cw(c196.65,129.6) 200.19,133.14 cw(c196.65,129.6) 200.19,126.07 199.04,124.92 ccw(c202.58,121.39) 199.04,117.85 ccw(c202.58,121.39) 206.12,117.85 207.26,118.99 cw(c210.79,115.46) 214.33,118.99 cw(c210.79,115.46) 214.33,111.92 213.37,110.96 ccw(c216.9,107.42) 213.37,103.89 220.44,96.82 222.21,95.05 224.08,93.17 225.72,93.17 ccw(c225.72,98.17) 230.72,98.17 230.72,99.58 cw(c235.72,99.58) 240.72,99.58 240.72,97.09 ccw(c245.72,97.09) 250.72,97.09 250.72,99.58 cw(c255.72,99.58) 260.72,99.58 260.72,97.09 ccw(c265.72,97.09) 270.72,97.09 270.72,99.58 cw(c275.72,99.58) 280.72,99.58 280.72,97.09 ccw(c285.72,97.09) 290.72,97.09 290.72,99.58 cw(c295.72,99.58) 300.72,99.58 300.72,97.09 ccw(c305.72,97.09) 310.72,97.09 310.72,99.58 cw(c315.72,99.58) 320.72,99.58 320.72,97.09 ccw(c325.72,97.09) 330.72,97.09 330.72,99.58 cw(c335.72,99.58) 340.72,99.58 340.72,98.17 ccw(c345.72,98.17) 345.72,93.17 351.44,93.17 358.63,100.35 358.63,108.33 368.78,118.49 368.78,118.83 373.03,123.08 v1(373.03,125.98)
LPDDR4_DQ10_A: U1.R2 U2.E11 | length 1318.9
  Top Layer w4.6: U1.R2@735.31,834.71 840.34,834.73 v1(840.55,834.95)
  Top Layer w5: v1(746.91,145.79) 746.91,144.81 756.89,134.83 U2.E11@756.89,133.86
  SIG3 w5: v1(746.91,145.79) 748.36,144.34 748.36,135.5 772.52,111.33 772.52,98.5 787.1,83.91 814.96,83.91 817.46,83.91 ccw(c817.46,88.91) 822.46,88.91 822.46,90 cw(c827.46,90) 832.46,90 832.46,87.92 ccw(c837.46,87.92) 842.46,87.92 842.46,90 cw(c847.46,90) 852.46,90 852.46,88.91 ccw(c857.46,88.91) 857.46,83.91 865.1,83.91 953.83,83.91 1037.8,167.88 1037.8,720.81 915.38,843.22 851.74,843.22 843.46,834.95 v1(840.55,834.95)
LPDDR4_DQ10_B: U1.A20 U2.V11 | length 1319
  Top Layer w5: v1(324.87,874.78) 326.93,872.72 339.1,872.72 340.45,871.36 344.6,871.36 352.44,879.2 U1.A20@378.98,879.25 U1.A20@378.98,879.25
  SIG3 w5: v1(324.87,874.78) 314.75,884.9 269.33,884.9 139.74,755.31 139.74,162.94 219.82,82.86 368.78,82.86 380.5,82.86 384.85,87.21 394.14,87.21 398.5,82.86 401,82.86 414.44,82.86 417.16,85.57 423.27,91.69 ccw(c419.74,95.23) 423.27,98.76 411.06,110.98 cw(c414.59,114.51) 411.06,118.05 cw(c414.59,114.51) 418.13,118.05 430.35,105.83 ccw(c433.88,109.37) 437.42,105.83 439.12,107.53 439.12,118.27 439.12,118.95 v1(424.21,133.86)
LPDDR4_DQ11_A: U1.T2 U2.F11 | length 1318.4
  Top Layer w5: v1(731.3,125.98) 731.3,127.55 U2.F11@731.3,133.86 ; U1.T2@746.45,845.85 752.85,845.85 cw(c752.85,789.26) 756.28,845.74 ccw(c757.58,856.98) 757.31,845.67 827.22,845.67 835.52,853.97 v1(835.52,854.39)
  SIG3 w5: v1(731.3,125.98) 731.3,107.58 765.54,73.34 960.17,73.34 1049.01,162.18 1049.01,726.03 920.65,854.39 v1(835.52,854.39)
LPDDR4_DQ11_B: U1.B20 U2.U11 | length 1319
  Top Layer w4.6: 376.84,890.37 377.25,890.37 ; 377.27,890.39 U1.B20@390.11,890.39
  Top Layer w5: v1(324.87,895.87) 346.35,895.87 352.02,890.21 373.93,890.21 374.09,890.37 376.84,890.37
  SIG3 w4.6: v1(324.87,895.87) 264.88,895.87 129.8,760.79 129.8,158.94 215.72,73.02 419.17,73.02 449.8,103.65 v1(449.8,133.86)
LPDDR4_DQ12_A: U1.M1 U2.F9 | length 1319.2
  Top Layer w5: U1.M1@713.04,790.17 713.15,790.17 718.79,784.54 747.33,784.54 769.81,762.05 769.81,755.23 v1(771.86,753.18)
  SIG3 w5: v1(731.3,196.85) 716.89,211.26 672.12,211.26 652.7,230.68 652.7,266.51 678.15,291.96 687.57,291.96 cw(c687.57,286.96) 692.57,286.96 692.57,259.39 ccw(c697.57,259.39) 702.57,259.39 702.57,289.9 cw(c707.57,289.9) 712.57,289.9 712.57,259.39 ccw(c717.57,259.39) 722.57,259.39 722.57,289.9 cw(c727.57,289.9) 732.57,289.9 732.57,259.39 ccw(c737.57,259.39) 742.57,259.39 742.57,289.9 cw(c747.57,289.9) 752.57,289.9 752.57,259.39 ccw(c757.57,259.39) 762.57,259.39 762.57,286.96 cw(c767.57,286.96) 767.57,291.96 781.04,291.96 867.35,291.96 873.55,298.16 cw(c877.08,294.62) 880.62,298.16 ccw(c884.15,301.69) 887.69,298.15 ccw(c884.15,301.69) 887.69,305.22 884.63,308.29 cw(c888.16,311.82) 884.63,315.36 cw(c888.16,311.82) 891.7,315.36 894.76,312.3 ccw(c898.3,315.83) 901.83,312.3 ccw(c898.3,315.83) 901.83,319.37 898.77,322.43 cw(c902.3,325.97) 898.77,329.5 cw(c902.3,325.97) 905.84,329.5 908.9,326.44 ccw(c912.44,329.97) 915.97,326.44 ccw(c912.44,329.97) 915.97,333.51 cw(c919.51,337.05) 915.97,340.58 921.03,345.64 921.03,615.43 785.13,751.33 773.71,751.33 v1(771.86,753.18)
LPDDR4_DQ12_B: U1.A15 U2.U9 | length 1318.8
  Top Layer w5: v1(324.87,719.01) 327.27,719.01 356.25,747.99 367.64,747.99 ccw(c367.64,752.99) 372.64,752.99 372.64,762.74 cw(c377.64,762.74) 382.64,762.74 382.64,752.99 ccw(c387.64,752.99) 387.64,747.99 392.96,747.99 405.77,760.81 405.77,784.78 cw(c429.7,784.78) 412.78,801.7 U1.A15@434.65,823.57
  SIG3 w5: v1(324.87,719.01) 324.87,703.01 284.41,662.55 284.41,325.1 313.76,295.75 422,295.75 430.72,295.75 cw(c430.72,290.75) 435.72,290.75 435.72,250.75 ccw(c440.72,250.75) 445.72,250.75 445.72,298.9 cw(c450.72,298.9) 455.72,298.9 455.72,250.75 ccw(c460.72,250.75) 465.72,250.75 465.72,298.9 cw(c470.72,298.9) 475.72,298.9 475.72,250.75 ccw(c480.72,250.75) 485.72,250.75 485.72,290.75 cw(c490.72,290.75) 490.72,295.75 493.22,295.75 502.4,295.75 526.57,271.58 526.57,226.49 511.34,211.26 464.21,211.26 v1(449.8,196.85)
LPDDR4_DQ13_A: U1.1F2 U2.E9 | length 1318.7
  SIG3 w5: v1(664.33,845.85) 664.33,825.06 712.68,776.71 723.99,776.71 ccw(c723.99,781.71) 728.99,781.71 728.99,785.83 cw(c733.99,785.83) 738.99,785.83 738.99,779.95 ccw(c743.99,779.95) 748.99,779.95 748.99,785.83 cw(c753.99,785.83) 758.99,785.83 758.99,781.71 ccw(c763.99,781.71) 763.99,776.71 776.56,776.71 932.52,620.75 932.52,601.97 ccw(c937.52,601.97) 937.52,596.97 ; v1(756.89,196.85) 756.89,199.76 765.54,208.41 765.54,235.94 782.71,253.11 784.47,253.11 786.97,253.11 ccw(c786.97,258.11) 791.97,258.11 791.97,273.69 cw(c796.97,273.69) 801.97,273.69 801.97,255.8 ccw(c806.97,255.8) 811.97,255.8 811.97,273.69 cw(c816.97,273.69) 821.97,273.69 821.97,255.8 ccw(c826.97,255.8) 831.97,255.8 831.97,273.69 cw(c836.97,273.69) 841.97,273.69 841.97,255.8 ccw(c846.97,255.8) 851.97,255.8 851.97,273.69 cw(c856.97,273.69) 861.97,273.69 861.97,258.11 ccw(c866.97,258.11) 866.97,253.11 877.12,253.11 878.92,253.11 932.52,306.71 932.52,321.97 cw(c937.52,321.97) 937.52,326.97 ; 937.53,326.97 ccw(c937.53,331.97) 937.53,336.97 937.33,336.97 cw(c937.33,341.97) 937.33,346.97 937.53,346.97 ccw(c937.53,351.97) 937.53,356.97 937.33,356.97 cw(c937.33,361.97) 937.33,366.97 937.53,366.97 ccw(c937.53,371.97) 937.53,376.97 937.33,376.97 cw(c937.33,381.97) 937.33,386.97 937.53,386.97 ccw(c937.53,391.97) 937.53,396.97 937.33,396.97 cw(c937.33,401.97) 937.33,406.97 937.53,406.97 ccw(c937.53,411.97) 937.53,416.97 937.33,416.97 cw(c937.33,421.97) 937.33,426.97 937.53,426.97 ccw(c937.53,431.97) 937.53,436.97 937.33,436.97 cw(c937.33,441.97) 937.33,446.97 937.53,446.97 ccw(c937.53,451.97) 937.53,456.97 937.33,456.97 cw(c937.33,461.97) 937.33,466.97 937.53,466.97 ccw(c937.53,471.97) 937.53,476.97 937.33,476.97 cw(c937.33,481.97) 937.33,486.97 937.53,486.97 ccw(c937.53,491.97) 937.53,496.97 937.33,496.97 cw(c937.33,501.97) 937.33,506.97 937.53,506.97 ccw(c937.53,511.97) 937.53,516.97 937.33,516.97 cw(c937.33,521.97) 937.33,526.97 937.53,526.97 ccw(c937.53,531.97) 937.53,536.97 937.33,536.97 cw(c937.33,541.97) 937.33,546.97 937.53,546.97 ccw(c937.53,551.97) 937.53,556.97 937.33,556.97 cw(c937.33,561.97) 937.33,566.97 937.53,566.97 ccw(c937.53,571.97) 937.53,576.97 937.33,576.97 cw(c937.33,581.97) 937.33,586.97 937.53,586.97 ccw(c937.53,591.97) 937.53,596.97
LPDDR4_DQ13_B: U1.B15 U2.V9 | length 1319.6
  Top Layer w4.6: 432.57,834.71 U1.B15@445.79,834.71
  Top Layer w5: v1(335.29,751.8) 337.35,753.85 343.52,753.85 348.12,758.46 ccw(c344.59,761.99) 348.12,765.53 340.56,773.09 cw(c344.09,776.63) 340.56,780.16 cw(c344.09,776.63) 347.63,780.16 355.19,772.6 ccw(c358.73,776.13) 362.26,772.6 373.85,784.18 382.05,784.18 423.34,825.47 423.34,828.26 429.79,834.71 432.57,834.71
  SIG3 w5: v1(335.29,751.8) 301.65,718.15 ccw(c305.18,714.61) 301.65,711.08 305.24,707.49 cw(c301.7,703.96) 305.24,700.42 cw(c301.7,703.96) 298.16,700.42 292.48,706.1 ccw(c288.95,702.57) 285.41,706.1 ccw(c288.95,702.57) 285.41,699.03 291.09,693.35 cw(c287.56,689.81) 291.09,686.28 cw(c287.56,689.81) 284.02,686.28 280.43,689.87 ccw(c276.9,686.33) 273.36,689.87 263.52,680.03 263.52,674.11 263.52,661.25 ccw(c268.52,661.25) 268.52,656.25 269.34,656.25 cw(c269.34,651.25) 269.34,646.25 267.78,646.25 ccw(c267.78,641.25) 267.78,636.25 269.34,636.25 cw(c269.34,631.25) 269.34,626.25 267.78,626.25 ccw(c267.78,621.25) 267.78,616.25 269.34,616.25 cw(c269.34,611.25) 269.34,606.25 267.78,606.25 ccw(c267.78,601.25) 267.78,596.25 269.34,596.25 cw(c269.34,591.25) 269.34,586.25 267.78,586.25 ccw(c267.78,581.25) 267.78,576.25 269.34,576.25 cw(c269.34,571.25) 269.34,566.25 267.78,566.25 ccw(c267.78,561.25) 267.78,556.25 269.34,556.25 cw(c269.34,551.25) 269.34,546.25 267.78,546.25 ccw(c267.78,541.25) 267.78,536.25 269.34,536.25 cw(c269.34,531.25) 269.34,526.25 267.78,526.25 ccw(c267.78,521.25) 267.78,516.25 269.34,516.25 cw(c269.34,511.25) 269.34,506.25 267.78,506.25 ccw(c267.78,501.25) 267.78,496.25 269.34,496.25 cw(c269.34,491.25) 269.34,486.25 267.78,486.25 ccw(c267.78,481.25) 267.78,476.25 269.34,476.25 cw(c269.34,471.25) 269.34,466.25 267.78,466.25 ccw(c267.78,461.25) 267.78,456.25 269.34,456.25 cw(c269.34,451.25) 269.34,446.25 267.78,446.25 ccw(c267.78,441.25) 267.78,436.25 269.34,436.25 cw(c269.34,431.25) 269.34,426.25 267.78,426.25 ccw(c267.78,421.25) 267.78,416.25 269.34,416.25 cw(c269.34,411.25) 269.34,406.25 267.78,406.25 ccw(c267.78,401.25) 267.78,396.25 269.34,396.25 cw(c269.34,391.25) 269.34,386.25 267.78,386.25 ccw(c267.78,381.25) 267.78,376.25 269.34,376.25 cw(c269.34,371.25) 269.34,366.25 267.78,366.25 ccw(c267.78,361.25) 267.78,356.25 269.34,356.25 cw(c269.34,351.25) 269.34,346.25 268.52,346.25 ccw(c268.52,341.25) 263.52,341.25 263.52,331.23 266,328.75 314.05,280.71 315.82,278.94 ccw(c319.35,282.47) 322.89,278.94 327.67,283.72 cw(c331.2,280.18) 334.74,283.72 cw(c331.2,280.18) 334.74,276.65 329.96,271.87 ccw(c333.5,268.33) 329.96,264.8 334.84,259.92 335.64,259.11 337.57,259.11 344.75,259.11 ccw(c344.75,264.11) 349.75,264.11 349.75,276.42 cw(c354.75,276.42) 359.75,276.42 359.75,255.99 ccw(c364.75,255.99) 369.75,255.99 369.75,276.42 cw(c374.75,276.42) 379.75,276.42 379.75,255.99 ccw(c384.75,255.99) 389.75,255.99 389.75,276.42 cw(c394.75,276.42) 399.75,276.42 399.75,264.11 ccw(c404.75,264.11) 404.75,259.11 409.56,259.11 413.37,255.3 413.37,207.75 424.21,196.91 v1(424.21,196.85)